# KiCad board panel_bottom.kicad_pcb (continued)
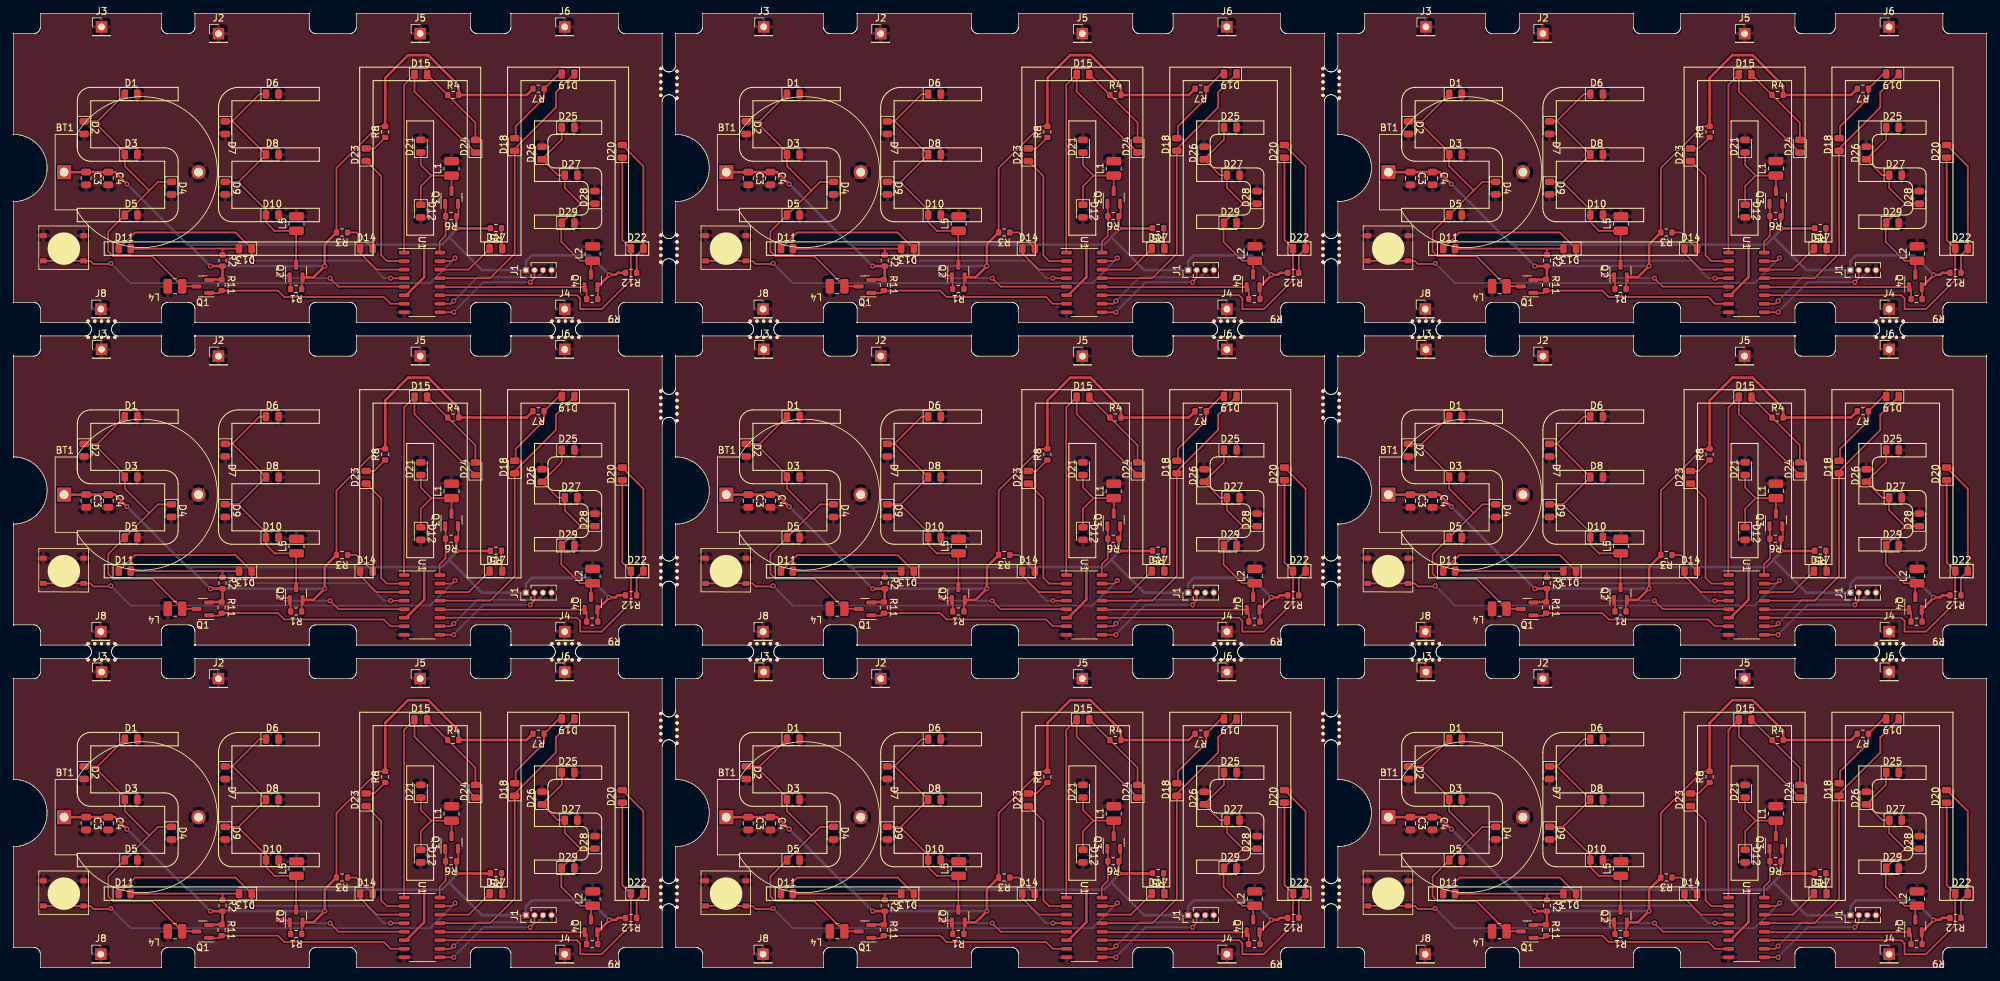
[diagram p0: board, top side]
## Nets (continued)
Board_5-GND: BT1#7.2 C3#2.2 C4#9.2 D1#6.2 D2.2 D3#2.2 D4#7.2 D5#5.2 D6#7.2 D7#2.2 D8#5.2 D9.2 D10#6.2 D12#4.2 D21#4.2 D25#4.2 D26#7.2 D27.2 D28#3.2 D29#5.2 J1#9.4 J2#8.1 J3#5.1 J4#4.1 J5#8.1 J6#3.1 J8#3.1 L1#5.2 L2.2 L4#5.2 L5#7.2 SW1.2 U1#8.8
Board_5-Net-(D1-K): D1#6.1 D2.1 D3#2.1 D4#7.1 D5#5.1 L4#5.1 Q1#9.3
Board_5-Net-(D10-K): D6#7.1 D7#2.1 D8#5.1 D9.1 D10#6.1 L5#7.1 Q2#6.3
Board_5-Net-(D11-A): D11#7.2 D13#9.2 R2#8.1
Board_5-Net-(D12-K): D12#4.1 D21#4.1 L1#5.1 Q3#2.3
Board_5-Net-(D14-A): D14#5.2 R3#8.1
Board_5-Net-(D15-A): D15#4.2 D24#7.2 R4#5.1
Board_5-Net-(D17-A): D17#7.2 R5#3.1
Board_5-Net-(D18-A): D18#7.2 D19#3.2 R7#9.1
Board_5-Net-(D20-A): D20#6.2 D22#5.2 R12#7.1
Board_5-Net-(D23-A): D23#5.2 R8#3.1
Board_5-Net-(D25-K): D25#4.1 D26#7.1 D27.1 D28#3.1 D29#5.1 L2.1 Q4#3.3
Board_5-VCC: BT1#7.1 C3#2.1 C4#9.1 J1#9.1 Q1#9.2 Q2#6.2 Q3#2.2 Q4#3.2 R1#9.1 R2#8.2 R3#8.2 R4#5.2 R5#3.2 R6.1 R7#9.2 R8#3.2 R9#6.1 R11#6.1 R12#7.2 U1#8.6
Board_6-/LED_EN_1: Q3.1 R6#9.2 U1#3.16
Board_6-/LED_EN_5: Q4#9.1 R9#9.2 U1#3.12
Board_6-/LED_EN_E: Q2#8.1 R1#6.2 U1#3.5
Board_6-/LED_EN_M1: D11#3.1 D13#7.1 U1#3.4
Board_6-/LED_EN_M2: D14.1 U1#3.3
Board_6-/LED_EN_M3: D23#4.1 U1#3.2
Board_6-/LED_EN_M4: D15#7.1 D24#4.1 U1#3.1
Board_6-/LED_EN_M5: D17#5.1 U1#3.14
Board_6-/LED_EN_M6: D18.1 D19.1 U1#3.13
Board_6-/LED_EN_M7: D20#8.1 D22#4.1 U1#3.11
Board_6-/LED_EN_S: Q1#4.1 R11#8.2 U1#3.7
Board_6-/P3.0: J1#2.2 U1#3.9
Board_6-/P3.1: J1#2.3 U1#3.10
Board_6-/SW_IN: SW1#7.1 U1#3.15
Board_6-GND: BT1#6.2 C3#5.2 C4.2 D1#2.2 D2#6.2 D3#5.2 D4#2.2 D5#7.2 D6.2 D7#9.2 D8#6.2 D9#4.2 D10#9.2 D12#5.2 D21#3.2 D25#8.2 D26#5.2 D27#7.2 D28#5.2 D29#3.2 J1#2.4 J2#9.1 J3#4.1 J4#5.1 J5#6.1 J6#8.1 J8#9.1 L1#9.2 L2#3.2 L4#9.2 L5.2 SW1#7.2 U1#3.8
Board_6-Net-(D1-K): D1#2.1 D2#6.1 D3#5.1 D4#2.1 D5#7.1 L4#9.1 Q1#4.3
Board_6-Net-(D10-K): D6.1 D7#9.1 D8#6.1 D9#4.1 D10#9.1 L5.1 Q2#8.3
Board_6-Net-(D11-A): D11#3.2 D13#7.2 R2#7.1
Board_6-Net-(D12-K): D12#5.1 D21#3.1 L1#9.1 Q3.3
Board_6-Net-(D14-A): D14.2 R3#7.1
Board_6-Net-(D15-A): D15#7.2 D24#4.2 R4#3.1
Board_6-Net-(D17-A): D17#5.2 R5#8.1
Board_6-Net-(D18-A): D18.2 D19.2 R7.1
Board_6-Net-(D20-A): D20#8.2 D22#4.2 R12#5.1
Board_6-Net-(D23-A): D23#4.2 R8#9.1
Board_6-Net-(D25-K): D25#8.1 D26#5.1 D27#7.1 D28#5.1 D29#3.1 L2#3.1 Q4#9.3
Board_6-VCC: BT1#6.1 C3#5.1 C4.1 J1#2.1 Q1#4.2 Q2#8.2 Q3.2 Q4#9.2 R1#6.1 R2#7.2 R3#7.2 R4#3.2 R5#8.2 R6#9.1 R7.2 R8#9.2 R9#9.1 R11#8.1 R12#5.2 U1#3.6
Board_7-/LED_EN_1: Q3#3.1 R6#6.2 U1#2.16
Board_7-/LED_EN_5: Q4#2.1 R9#4.2 U1#2.12
Board_7-/LED_EN_E: Q2#2.1 R1.2 U1#2.5
Board_7-/LED_EN_M1: D11#8.1 D13#3.1 U1#2.4
Board_7-/LED_EN_M2: D14#4.1 U1#2.3
Board_7-/LED_EN_M3: D23#9.1 U1#2.2
Board_7-/LED_EN_M4: D15#9.1 D24#2.1 U1#2.1
Board_7-/LED_EN_M5: D17#6.1 U1#2.14
Board_7-/LED_EN_M6: D18#3.1 D19#4.1 U1#2.13
Board_7-/LED_EN_M7: D20#4.1 D22#2.1 U1#2.11
Board_7-/LED_EN_S: Q1#2.1 R11#3.2 U1#2.7
Board_7-/P3.0: J1#3.2 U1#2.9
Board_7-/P3.1: J1#3.3 U1#2.10
Board_7-/SW_IN: SW1#9.1 U1#2.15
Board_7-GND: BT1#3.2 C3#4.2 C4#4.2 D1.2 D2#3.2 D3#4.2 D4#4.2 D5#6.2 D6#4.2 D7#3.2 D8#7.2 D9#8.2 D10#3.2 D12#9.2 D21#5.2 D25#3.2 D26#2.2 D27#8.2 D28.2 D29#6.2 J1#3.4 J2#7.1 J3#7.1 J4#9.1 J5#5.1 J6#7.1 J8#4.1 L1#7.2 L2#7.2 L4#7.2 L5#3.2 SW1#9.2 U1#2.8
Board_7-Net-(D1-K): D1.1 D2#3.1 D3#4.1 D4#4.1 D5#6.1 L4#7.1 Q1#2.3
Board_7-Net-(D10-K): D6#4.1 D7#3.1 D8#7.1 D9#8.1 D10#3.1 L5#3.1 Q2#2.3
Board_7-Net-(D11-A): D11#8.2 D13#3.2 R2#6.1
Board_7-Net-(D12-K): D12#9.1 D21#5.1 L1#7.1 Q3#3.3
Board_7-Net-(D14-A): D14#4.2 R3.1
Board_7-Net-(D15-A): D15#9.2 D24#2.2 R4#6.1
Board_7-Net-(D17-A): D17#6.2 R5#6.1
Board_7-Net-(D18-A): D18#3.2 D19#4.2 R7#6.1
Board_7-Net-(D20-A): D20#4.2 D22#2.2 R12#2.1
Board_7-Net-(D23-A): D23#9.2 R8.1
Board_7-Net-(D25-K): D25#3.1 D26#2.1 D27#8.1 D28.1 D29#6.1 L2#7.1 Q4#2.3
Board_7-VCC: BT1#3.1 C3#4.1 C4#4.1 J1#3.1 Q1#2.2 Q2#2.2 Q3#3.2 Q4#2.2 R1.1 R2#6.2 R3.2 R4#6.2 R5#6.2 R6#6.1 R7#6.2 R8.2 R9#4.1 R11#3.1 R12#2.2 U1#2.6
Board_8-/LED_EN_1: Q3#8.1 R6#2.2 U1#5.16
Board_8-/LED_EN_5: Q4#6.1 R9.2 U1#5.12
Board_8-/LED_EN_E: Q2#4.1 R1#3.2 U1#5.5
Board_8-/LED_EN_M1: D11#9.1 D13#4.1 U1#5.4
Board_8-/LED_EN_M2: D14#2.1 U1#5.3
Board_8-/LED_EN_M3: D23#2.1 U1#5.2
Board_8-/LED_EN_M4: D15.1 D24#9.1 U1#5.1
Board_8-/LED_EN_M5: D17#2.1 U1#5.14
Board_8-/LED_EN_M6: D18#5.1 D19#8.1 U1#5.13
Board_8-/LED_EN_M7: D20#5.1 D22#9.1 U1#5.11
Board_8-/LED_EN_S: Q1#6.1 R11#9.2 U1#5.7
Board_8-/P3.0: J1.2 U1#5.9
Board_8-/P3.1: J1.3 U1#5.10
Board_8-/SW_IN: SW1#4.1 U1#5.15
Board_8-GND: BT1#8.2 C3#3.2 C4#8.2 D1#4.2 D2#7.2 D3#3.2 D4#8.2 D5#4.2 D6#2.2 D7#8.2 D8.2 D9#3.2 D10#2.2 D12#8.2 D21#8.2 D25#6.2 D26#8.2 D27#3.2 D28#8.2 D29#8.2 J1.4 J2.1 J3.1 J4.1 J5#3.1 J6.1 J8#6.1 L1#3.2 L2#5.2 L4#8.2 L5#8.2 SW1#4.2 U1#5.8
Board_8-Net-(D1-K): D1#4.1 D2#7.1 D3#3.1 D4#8.1 D5#4.1 L4#8.1 Q1#6.3
Board_8-Net-(D10-K): D6#2.1 D7#8.1 D8.1 D9#3.1 D10#2.1 L5#8.1 Q2#4.3
Board_8-Net-(D11-A): D11#9.2 D13#4.2 R2#9.1
Board_8-Net-(D12-K): D12#8.1 D21#8.1 L1#3.1 Q3#8.3
Board_8-Net-(D14-A): D14#2.2 R3#3.1
Board_8-Net-(D15-A): D15.2 D24#9.2 R4#8.1
Board_8-Net-(D17-A): D17#2.2 R5.1
Board_8-Net-(D18-A): D18#5.2 D19#8.2 R7#4.1
Board_8-Net-(D20-A): D20#5.2 D22#9.2 R12#9.1
Board_8-Net-(D23-A): D23#2.2 R8#5.1
Board_8-Net-(D25-K): D25#6.1 D26#8.1 D27#3.1 D28#8.1 D29#8.1 L2#5.1 Q4#6.3
Board_8-VCC: BT1#8.1 C3#3.1 C4#8.1 J1.1 Q1#6.2 Q2#4.2 Q3#8.2 Q4#6.2 R1#3.1 R2#9.2 R3#3.2 R4#8.2 R5.2 R6#2.1 R7#4.2 R8#5.2 R9.1 R11#9.1 R12#9.2 U1#5.6

## Via types
v1: diameter 0.8, hole 0.4, Top to Bottom, 135 vias

## Routing (per net, layer and track width the routed paths; a pad name or vN(x,y) marks a point on that pad's centre or on a via; arc(x,y) is an arc through that point)
Board_0-/LED_EN_1: length 7.7
  Top w0.25: U1#6.16 63.39,106.47 63.39,108.02 64.28,108.91 R6#8.2 64.28,113.62 Q3#5.1
Board_0-/LED_EN_5: length 23.5
  Top w0.25: R9#8.2 85.27,100.95 Q4#7.1
  Top w0.254: Q4#7.1 63.51,101.26 U1#6.12
Board_0-/LED_EN_E: length 22.4
  Top w0.25: v1(39.7,103) 40.83,103 Q2#3.1 ; U1#6.5 48.36,101.34 v1(47.1,102.6)
  Top w0.254: 41.23,101 41.23,102.6 Q2#3.1
  Bottom w0.25: v1(39.7,103) 40.1,102.6 v1(47.1,102.6)
Board_0-/LED_EN_M1: length 47.3
  Top w0.254: v1(56.1,102.6) 58.13,102.6 U1#6.4 ; v1(35.5,105.2) 35.44,105.26 D13#2.1 33.04,109.4 18.07,109.4 D11#4.1
  Bottom w0.254: v1(35.5,105.2) 52.5,105.2 55.1,102.6 v1(56.1,102.6)
Board_0-/LED_EN_M2: length 8.3
  Top w0.254: D14#3.1 51.56,106.34 54.02,103.88 U1#6.3
Board_0-/LED_EN_M3: length 18.8
  Top w0.254: D23#6.1 54.7,117.8 54.7,106 55.55,105.15 U1#6.2
Board_0-/LED_EN_M4: length 42.5
  Top w0.254: D24#5.1 59.65,130.37 D15#5.1 58.1,131.36 58.1,106.45 U1#6.1
Board_0-/LED_EN_M5: length 8.7
  Top w0.254: D17#8.1 67.71,103.88 U1#6.14
Board_0-/LED_EN_M6: length 43.1
  Top w0.254: U1#6.13 69.82,102.61 69.83,102.6 70.9,102.6 74.56,106.26 D18#9.1 74.56,121.86 80.7,128 80.7,130.26 D19#9.1
Board_0-/LED_EN_M7: length 50.7
  Top w0.254: U1#6.11 83.83,100.07 84.3,99.6 84.3,98 87.5,98 91.83,102.33 D22.1 90.56,108.27 D20#7.1
Board_0-/LED_EN_S: length 30
  Top w0.254: 58.13,98.8 U1#6.7 56.1,98.8 55.1,99.8 40.3,99.8 39.35,100.75 R11#7.2 30.59,100.38 29.15,100.38 Q1.1
Board_0-/P3.0: length 17.4
  Top w0.254: v1(65.5,97.53) U1#6.9 ; v1(76.9,102) 77.5,102.6 J1#8.2
  Bottom w0.254: v1(65.5,97.53) 65.5,97.6 69.9,102 v1(76.9,102)
Board_0-/P3.1: length 17.7
  Top w0.254: 78.7,103.73 J1#8.3 ; v1(65.5,99.2) 65.1,98.8 U1#6.10
  Bottom w0.254: v1(65.5,99.2) 69.03,102.73 78.03,102.73 78.77,103.47 J1#8.3
Board_0-/SW_IN: length 66.7
  Top w0.25: 11.9,104.72 11.44,105.17 SW1#6.1 SW1#6.1
  Top w0.254: 11.9,104.72 14.42,104.72 v1(14.5,104.8) ; v1(65.7,105.6) 65.25,105.15 U1#6.15
  Bottom w0.254: v1(14.5,104.8) 17.43,101.87 61.97,101.87 v1(65.7,105.6)
Board_0-Net-(D1-K): length 52.2
  Top w0.25: 11.94,125.94 12.5,125.94 D1#3.1 ; 11.94,125.94 D2#2.1 ; 11.94,125.94 16.56,121.31 D3#9.1 16.56,119.28 20.2,115.64 ; D4#9.1 21.5,116.94 20.2,115.64 ; 20.2,115.64 D5.1
  Top w0.254: Q1.3 27.2,101.4 L4#6.1 20.63,105.87 14.83,105.87 14.1,106.6 14.1,109.54 D5.1
Board_0-Net-(D10-K): length 43.4
  Top w0.25: D10#4.1 37.56,112.76 33.39,116.94 D9#7.1 33.5,116.94 D8#9.1 32.62,125.94 D7#6.1 32.54,125.94 36.6,130 D6#5.1
  Top w0.254: D10#4.1 37.56,110.94 38.9,109.6 38.95,109.65 L5#2.1 42.05,109.6 Q2#3.3
Board_0-Net-(D11-A): length 19.7
  Top w0.25: D13#2.2 D11#4.2
  Top w0.254: R2#5.1 31.1,107 ; D11#4.2 20.08,107
Board_0-Net-(D12-K): length 14.4
  Top w0.25: 62.17,117.87 60.59,116.28 D12#7.1 ; 62.17,117.87 60.59,119.45 D21.1 ; 62.17,117.87 L1#6.1 Q3#5.3
Board_0-Net-(D14-A): length 4.9
  Top w0.254: R3#9.1 51.04,109.4 D14#3.2 53.54,106.89
Board_0-Net-(D15-A): length 12.7
  Top w0.254: D24#5.2 68.72,125.73 R4#7.1 61.55,132.91 D15#5.2
  Top w0.381: R4#7.1 64.58,129.86
Board_0-Net-(D17-A): length 3.1
  Top w0.254: R5#7.1 72.59,107.11 D17#8.2
Board_0-Net-(D18-A): length 12.8
  Top w0.254: D19#9.2 81.12,133 R7#7.1 78.92,129.43 74.7,125.2 74.7,123.57 D18#9.2 ; 81.64,133.2 81.67,133.16
Board_0-Net-(D20-A): length 20.7
  Top w0.254: R12#4.1 92.7,105.99 D22.2 93.71,119.27 D20#7.2
Board_0-Net-(D23-A): length 3.5
  Top w0.254: D23#6.2 53.66,121.91 R8#2.1
Board_0-Net-(D25-K): length 32.5
  Top w0.25: 81.5,108 81.5,110.81 84.37,113.68 ; Q4#7.3 85.9,104.94 L2#6.1 ; 84.37,113.68 D28#2.1 ; 84.37,113.68 82.01,116.05 D27#6.1 80.99,117.92 D26#3.1
  Top w0.254: 81.5,108 84.31,105.19 L2#6.1 ; D25#9.1 81.56,123.22 D26#3.1
Board_0-VCC: length 210.6
  Top w0.25: R6#8.1 66.18,112.08 66.18,113.62 Q3#5.2 ; Q4#7.2 86.92,101.2 R9#8.1
  Top w0.254: R1#4.1 42.88,102.6 Q2#3.2 ; R8#2.2 54.25,125.2 48.05,119 R3#9.2
  Top w0.381: 13.91,118.38 14.11,118.18 ; v1(29.3,104.4) R2#5.2 31.1,102.54 R11#7.1 29.18,102.4 Q1.2 ; Q2#3.2 44.62,102.72 v1(46.3,104.4) 46.3,107.65 R3#9.2 ; R5#7.2 70.89,110 v1(65.9,110) 65.9,111.8 R6#8.1 ; v1(61.1,107.6) 61.1,102.75 58.41,100.07 U1#6.6 ; R8#2.2 55.3,132.4 58.7,135.8 61.7,135.8 66.24,131.26 66.24,129.86 76.34,129.86 R7#7.2 ; R12#4.2 89.9,103.4 89.6,103.1 v1(88.6,103.1) 88.6,103.01 Q4#7.2 ; BT1#5.1 10.79,118.38 C3.1 C4#6.1 15.1,118.4 v1(16.9,116.6)
  Bottom w0.381: 64.8,108.7 65.9,109.8 v1(65.9,110) ; 64.8,108.7 69.7,103.8 J1#8.1 76.23,105.13 77.1,106 85.7,106 v1(88.6,103.1) ; 64.8,108.7 63.7,107.6 v1(61.1,107.6) 25.9,107.6 25.7,107.8 ; 25.7,107.8 25.9,107.8 v1(29.3,104.4) v1(46.3,104.4) ; 25.7,107.8 v1(16.9,116.6)
Board_1-/LED_EN_1: length 7.7
  Top w0.25: U1#9.16 161.89,106.47 161.89,108.02 162.78,108.91 R6#7.2 162.78,113.62 Q3#9.1
Board_1-/LED_EN_5: length 23.5
  Top w0.25: Q4#5.1 183.77,100.95 R9#3.2
  Top w0.254: Q4#5.1 162.01,101.26 U1#9.12
Board_1-/LED_EN_E: length 22.4
  Top w0.25: U1#9.5 146.86,101.34 v1(145.6,102.6) ; Q2#7.1 139.32,103 v1(138.2,103)
  Top w0.254: Q2#7.1 139.72,102.6 R1#8.2
  Bottom w0.25: v1(138.2,103) 138.6,102.6 v1(145.6,102.6)
Board_1-/LED_EN_M1: length 47.3
  Top w0.254: U1#9.4 156.63,102.6 v1(154.6,102.6) ; D11#6.1 116.57,109.4 131.54,109.4 D13#5.1 133.94,105.26 v1(134,105.2)
  Bottom w0.254: v1(134,105.2) 151,105.2 153.6,102.6 v1(154.6,102.6)
Board_1-/LED_EN_M2: length 8.3
  Top w0.254: U1#9.3 152.52,103.88 150.06,106.34 D14#9.1
Board_1-/LED_EN_M3: length 18.8
  Top w0.254: U1#9.2 154.05,105.15 153.2,106 153.2,117.8 D23#7.1
Board_1-/LED_EN_M4: length 42.5
  Top w0.254: U1#9.1 156.6,106.45 156.6,131.36 D15#8.1 158.15,130.37 D24#3.1
Board_1-/LED_EN_M5: length 8.7
  Top w0.254: D17#4.1 166.21,103.88 U1#9.14
Board_1-/LED_EN_M6: length 43.1
  Top w0.254: U1#9.13 168.32,102.61 168.33,102.6 169.4,102.6 173.06,106.26 D18#8.1 173.06,121.86 179.2,128 179.2,130.26 D19#6.1
Board_1-/LED_EN_M7: length 50.7
  Top w0.254: D20#2.1 189.06,108.27 D22#6.1 190.33,102.33 186,98 182.8,98 182.8,99.6 182.33,100.07 U1#9.11
Board_1-/LED_EN_S: length 30
  Top w0.254: 156.63,98.8 U1#9.7 154.6,98.8 153.6,99.8 138.8,99.8 137.85,100.75 R11#4.2 129.09,100.38 127.65,100.38 Q1#5.1
Board_1-/P3.0: length 17.4
  Top w0.254: v1(175.4,102) 176,102.6 J1#7.2 ; v1(164,97.53) U1#9.9
  Bottom w0.254: v1(175.4,102) 168.4,102 164,97.6 v1(164,97.53)
Board_1-/P3.1: length 17.7
  Top w0.254: v1(164,99.2) 163.6,98.8 U1#9.10 ; 177.2,103.73 J1#7.3
  Bottom w0.254: J1#7.3 177.27,103.47 176.53,102.73 167.53,102.73 v1(164,99.2)
Board_1-/SW_IN: length 66.7
  Top w0.25: 110.4,104.72 109.94,105.17 SW1#8.1 SW1#8.1
  Top w0.254: U1#9.15 163.75,105.15 v1(164.2,105.6) ; v1(113,104.8) 112.92,104.72 110.4,104.72
  Bottom w0.254: v1(113,104.8) 115.93,101.87 160.47,101.87 v1(164.2,105.6)
Board_1-Net-(D1-K): length 52.2
  Top w0.25: 110.44,125.94 D2#9.1 ; 110.44,125.94 111,125.94 D1#7.1 ; 110.44,125.94 115.06,121.31 D3#6.1 115.06,119.28 118.7,115.64 ; D5#8.1 118.7,115.64 ; 118.7,115.64 120,116.94 D4#6.1
  Top w0.254: Q1#5.3 125.7,101.4 L4#3.1 119.13,105.87 113.33,105.87 112.6,106.6 112.6,109.54 D5#8.1
Board_1-Net-(D10-K): length 43.4
  Top w0.25: D6#9.1 135.1,130 131.04,125.94 D7.1 131.12,125.94 D8#8.1 132,116.94 D9#9.1 131.89,116.94 136.06,112.76 D10#5.1
  Top w0.254: D10#5.1 136.06,110.94 137.4,109.6 137.45,109.65 L5#9.1 140.55,109.6 Q2#7.3
Board_1-Net-(D11-A): length 19.7
  Top w0.25: D13#5.2 D11#6.2
  Top w0.254: R2#4.1 129.6,107 ; D11#6.2 118.58,107
Board_1-Net-(D12-K): length 14.4
  Top w0.25: 160.68,117.87 L1#4.1 Q3#9.3 ; 160.68,117.87 159.09,116.28 D12#2.1 ; 160.68,117.87 159.09,119.45 D21#6.1
Board_1-Net-(D14-A): length 4.9
  Top w0.254: R3#6.1 149.54,109.4 D14#9.2 152.04,106.89
Board_1-Net-(D15-A): length 12.7
  Top w0.254: D15#8.2 160.04,132.91 R4#2.1 167.22,125.73 D24#3.2
  Top w0.381: R4#2.1 163.08,129.86
Board_1-Net-(D17-A): length 3.1
  Top w0.254: R5#4.1 171.09,107.11 D17#4.2
Board_1-Net-(D18-A): length 12.8
  Top w0.254: 180.14,133.2 180.17,133.16 ; D18#8.2 173.2,123.57 173.2,125.2 177.43,129.43 177.43,130.8 179.62,133 D19#6.2
Board_1-Net-(D20-A): length 20.7
  Top w0.254: D20#2.2 192.21,119.27 D22#6.2 191.2,105.99 R12#3.1
Board_1-Net-(D23-A): length 3.5
  Top w0.254: D23#7.2 152.16,121.91 R8#6.1
Board_1-Net-(D25-K): length 32.5
  Top w0.25: 182.87,113.68 D28#6.1 ; 182.87,113.68 180,110.81 180,108 ; 182.87,113.68 180.51,116.05 D27#4.1 179.49,117.92 D26#4.1 ; L2#9.1 184.4,104.94 Q4#5.3
  Top w0.254: D25.1 180.06,123.22 D26#4.1 ; 180,108 182.81,105.19 L2#9.1
Board_1-VCC: length 210.6
  Top w0.25: R6#7.1 164.68,112.08 164.68,113.62 Q3#9.2 ; R9#3.1 185.42,101.2 Q4#5.2
  Top w0.254: R3#6.2 146.55,119 152.75,125.2 R8#6.2 ; Q2#7.2 141.38,102.6 R1#8.1
  Top w0.381: v1(127.8,104.4) R2#4.2 129.6,102.54 R11#4.1 127.68,102.4 Q1#5.2 ; v1(115.4,116.6) 113.6,118.4 C4#3.1 C3#6.1 109.29,118.38 BT1#9.1 ; R8#6.2 153.8,132.4 157.2,135.8 160.2,135.8 164.74,131.26 R4#2.2 174.84,129.86 R7#5.2 ; U1#9.6 156.91,100.07 159.6,102.75 v1(159.6,107.6) ; R3#6.2 144.8,107.65 v1(144.8,104.4) 143.12,102.72 Q2#7.2 ; R5#4.2 169.39,110 v1(164.4,110) 164.4,111.8 R6#7.1 ; 112.41,118.38 112.61,118.18 ; Q4#5.2 187.1,103.01 v1(187.1,103.1) 188.1,103.1 188.4,103.4 R12#3.2
  Bottom w0.381: 163.3,108.7 162.2,107.6 v1(159.6,107.6) 124.4,107.6 124.2,107.8 ; 163.3,108.7 168.2,103.8 J1#7.1 174.73,105.13 175.6,106 184.2,106 v1(187.1,103.1) ; 163.3,108.7 164.4,109.8 v1(164.4,110) ; v1(144.8,104.4) v1(127.8,104.4) 124.4,107.8 124.2,107.8 ; 124.2,107.8 v1(115.4,116.6)
Board_2-/LED_EN_1: length 7.7
  Top w0.25: U1.16 260.39,106.47 260.39,108.02 261.28,108.91 R6#3.2 261.28,113.62 Q3#4.1
Board_2-/LED_EN_5: length 23.5
  Top w0.25: R9#2.2 282.27,100.95 Q4.1
  Top w0.254: Q4.1 260.51,101.26 U1.12
Board_2-/LED_EN_E: length 22.4
  Top w0.25: v1(236.7,103) 237.82,103 Q2.1 ; U1.5 245.36,101.34 v1(244.1,102.6)
  Top w0.254: Q2.1 238.22,102.6 R1#2.2
  Bottom w0.25: v1(244.1,102.6) 237.1,102.6 v1(236.7,103)
Board_2-/LED_EN_M1: length 47.3
  Top w0.254: D11.1 215.07,109.4 230.04,109.4 D13#6.1 232.44,105.26 v1(232.5,105.2) ; v1(253.1,102.6) 255.13,102.6 U1.4
  Bottom w0.254: v1(232.5,105.2) 249.5,105.2 252.1,102.6 v1(253.1,102.6)
Board_2-/LED_EN_M2: length 8.3
  Top w0.254: U1.3 251.02,103.88 248.56,106.34 D14#6.1
Board_2-/LED_EN_M3: length 18.8
  Top w0.254: D23#3.1 251.7,117.8 251.7,106 252.55,105.15 U1.2
Board_2-/LED_EN_M4: length 42.5
  Top w0.254: U1.1 255.1,106.45 255.1,131.36 D15#3.1 256.65,130.37 D24.1
Board_2-/LED_EN_M5: length 8.7
  Top w0.254: D17.1 264.71,103.88 U1.14
Board_2-/LED_EN_M6: length 43.1
  Top w0.254: U1.13 266.82,102.61 266.83,102.6 267.9,102.6 271.56,106.26 D18#4.1 271.56,121.86 277.7,128 277.7,130.26 D19#7.1
Board_2-/LED_EN_M7: length 50.7
  Top w0.254: U1.11 280.83,100.07 281.3,99.6 281.3,98 284.5,98 288.83,102.33 D22#7.1 287.56,108.27 D20.1
Board_2-/LED_EN_S: length 30
  Top w0.254: 255.13,98.8 U1.7 253.1,98.8 252.1,99.8 237.3,99.8 236.35,100.75 R11.2 227.59,100.38 226.15,100.38 Q1#7.1
Board_2-/P3.0: length 17.4
  Top w0.254: v1(262.5,97.53) U1.9 ; v1(273.9,102) 274.5,102.6 J1#6.2
  Bottom w0.254: v1(273.9,102) 266.9,102 262.5,97.6 v1(262.5,97.53)
Board_2-/P3.1: length 17.7
  Top w0.254: U1.10 262.1,98.8 v1(262.5,99.2) ; 275.7,103.73 J1#6.3
  Bottom w0.254: J1#6.3 275.77,103.47 275.03,102.73 266.03,102.73 v1(262.5,99.2)
Board_2-/SW_IN: length 66.7
  Top w0.25: SW1#5.1 SW1#5.1 208.44,105.17 208.9,104.72
  Top w0.254: U1.15 262.25,105.15 v1(262.7,105.6) ; 208.9,104.72 211.42,104.72 v1(211.5,104.8)
  Bottom w0.254: v1(211.5,104.8) 214.43,101.87 258.97,101.87 v1(262.7,105.6)
Board_2-Net-(D1-K): length 52.2
  Top w0.25: 208.94,125.94 D2#8.1 ; 208.94,125.94 209.5,125.94 D1#9.1 ; 208.94,125.94 213.56,121.31 D3.1 213.56,119.28 217.2,115.64 ; 217.2,115.64 D5#2.1 ; 217.2,115.64 218.5,116.94 D4#5.1
  Top w0.254: D5#2.1 211.1,109.54 211.1,106.6 211.83,105.87 217.63,105.87 L4.1 224.2,101.4 Q1#7.3
Board_2-Net-(D10-K): length 43.4
  Top w0.25: D6#6.1 233.6,130 229.54,125.94 D7#4.1 229.62,125.94 D8#3.1 230.5,116.94 D9#5.1 230.39,116.94 234.56,112.76 D10.1
  Top w0.254: D10.1 234.56,110.94 235.9,109.6 235.95,109.65 L5#5.1 239.05,109.6 Q2.3
Board_2-Net-(D11-A): length 19.7
  Top w0.25: D13#6.2 D11.2
  Top w0.254: R2.1 228.1,107 ; D11.2 217.08,107
Board_2-Net-(D12-K): length 14.4
  Top w0.25: 259.18,117.87 257.59,116.28 D12#6.1 ; 259.18,117.87 L1.1 Q3#4.3 ; 259.18,117.87 257.59,119.45 D21#2.1
Board_2-Net-(D14-A): length 4.9
  Top w0.254: 250.54,106.89 D14#6.2 248.04,109.4 R3#5.1
Board_2-Net-(D15-A): length 12.7
  Top w0.254: D15#3.2 258.55,132.91 R4.1 265.72,125.73 D24.2
  Top w0.381: R4.1 261.58,129.86
Board_2-Net-(D17-A): length 3.1
  Top w0.254: 269.59,110.05 269.59,107.11 D17.2
Board_2-Net-(D18-A): length 12.8
  Top w0.254: D18#4.2 271.7,123.57 271.7,125.2 275.93,129.43 R7#8.1 278.12,133 D19#7.2 ; 278.64,133.2 278.67,133.16
Board_2-Net-(D20-A): length 20.7
  Top w0.254: D20.2 290.71,119.27 D22#7.2 289.7,105.99 R12.1
Board_2-Net-(D23-A): length 3.5
  Top w0.254: D23#3.2 250.66,121.91 R8#8.1
Board_2-Net-(D25-K): length 32.5
  Top w0.25: 281.37,113.68 D28#9.1 ; 281.37,113.68 278.5,110.81 278.5,108 ; 281.37,113.68 279.01,116.05 D27#2.1 277.99,117.92 D26.1 ; L2#4.1 282.9,104.94 Q4.3
  Top w0.254: L2#4.1 281.31,105.19 278.5,108 ; D26.1 278.56,123.22 D25#2.1
Board_2-VCC: length 210.6
  Top w0.25: Q3#4.2 263.18,113.62 263.18,112.08 R6#3.1 ; Q4.2 283.92,101.2 R9#2.1
  Top w0.254: Q2.2 239.88,102.6 R1#2.1 ; R3#5.2 245.05,119 251.25,125.2 R8#8.2
  Top w0.381: v1(258.1,107.6) 258.1,102.75 255.41,100.07 U1.6 ; BT1#2.1 207.79,118.38 C3#9.1 C4#2.1 212.1,118.4 v1(213.9,116.6) ; Q1#7.2 226.18,102.4 R11.1 228.1,102.54 R2.2 v1(226.3,104.4) ; Q4.2 285.6,103.01 v1(285.6,103.1) 286.6,103.1 286.9,103.4 R12.2 ; Q2.2 241.62,102.72 v1(243.3,104.4) 243.3,107.65 R3#5.2 ; R8#8.2 252.3,132.4 255.7,135.8 258.7,135.8 263.24,131.26 R4.2 273.34,129.86 274.27,130.8 ; 210.91,118.38 211.11,118.18 ; R5#2.2 267.89,110 v1(262.9,110) 262.9,111.8 R6#3.1
  Bottom w0.381: 222.7,107.8 222.9,107.8 v1(226.3,104.4) v1(243.3,104.4) ; 222.7,107.8 v1(213.9,116.6) ; 222.7,107.8 222.9,107.6 v1(258.1,107.6) 260.7,107.6 261.8,108.7 ; 261.8,108.7 262.9,109.8 v1(262.9,110) ; 261.8,108.7 266.7,103.8 J1#6.1 273.23,105.13 274.1,106 282.7,106 v1(285.6,103.1)
Board_3-/LED_EN_1: length 7.7
  Top w0.25: Q3#7.1 64.28,65.62 R6#5.2 64.28,60.91 63.39,60.02 63.39,58.47 U1#7.16
Board_3-/LED_EN_5: length 23.5
  Top w0.25: R9#5.2 85.27,52.95 Q4#4.1
  Top w0.254: Q4#4.1 63.51,53.26 U1#7.12
Board_3-/LED_EN_E: length 22.4
  Top w0.25: Q2#9.1 40.83,55 v1(39.7,55) ; v1(47.1,54.6) 48.36,53.34 U1#7.5
  Top w0.254: Q2#9.1 41.23,54.6 41.23,53
  Bottom w0.25: v1(47.1,54.6) 40.1,54.6 v1(39.7,55)
Board_3-/LED_EN_M1: length 47.3
  Top w0.254: U1#7.4 58.13,54.6 v1(56.1,54.6) ; v1(35.5,57.2) 35.44,57.26 D13#8.1 33.04,61.4 18.07,61.4 D11#2.1
  Bottom w0.254: v1(56.1,54.6) 55.1,54.6 52.5,57.2 v1(35.5,57.2)
Board_3-/LED_EN_M2: length 8.3
  Top w0.254: U1#7.3 54.02,55.88 51.56,58.34 D14#7.1
Board_3-/LED_EN_M3: length 18.8
  Top w0.254: D23#8.1 54.7,69.8 54.7,58 55.55,57.15 U1#7.2
Board_3-/LED_EN_M4: length 42.5
  Top w0.254: U1#7.1 58.1,58.45 58.1,83.36 D15#2.1 59.65,82.37 D24#8.1
Board_3-/LED_EN_M5: length 8.7
  Top w0.254: D17#3.1 67.71,55.88 U1#7.14
Board_3-/LED_EN_M6: length 43.1
  Top w0.254: U1#7.13 69.82,54.61 69.83,54.6 70.9,54.6 74.56,58.26 D18#2.1 74.56,73.86 80.7,80 80.7,82.26 D19#2.1
Board_3-/LED_EN_M7: length 50.7
  Top w0.254: U1#7.11 83.83,52.07 84.3,51.6 84.3,50 87.5,50 91.83,54.33 D22#3.1 90.56,60.27 D20#3.1
Board_3-/LED_EN_S: length 30
  Top w0.254: Q1#8.1 29.15,52.38 30.59,52.38 R11#2.2 39.35,52.75 40.3,51.8 55.1,51.8 56.1,50.8 U1#7.7 58.13,50.8
Board_3-/P3.0: length 17.4
  Top w0.254: v1(65.5,49.53) U1#7.9 ; v1(76.9,54) 77.5,54.6 J1#5.2
  Bottom w0.254: v1(65.5,49.53) 65.5,49.6 69.9,54 v1(76.9,54)
Board_3-/P3.1: length 17.7
  Top w0.254: v1(65.5,51.2) 65.1,50.8 U1#7.10 ; 78.7,55.73 J1#5.3
  Bottom w0.254: v1(65.5,51.2) 69.03,54.73 78.03,54.73 78.77,55.47 J1#5.3
Board_3-/SW_IN: length 66.7
  Top w0.25: SW1#2.1 SW1#2.1 11.44,57.17 11.9,56.72
  Top w0.254: 11.9,56.72 14.42,56.72 v1(14.5,56.8) ; v1(65.7,57.6) 65.25,57.15 U1#7.15
  Bottom w0.254: v1(65.7,57.6) 61.97,53.87 17.43,53.87 v1(14.5,56.8)
Board_3-Net-(D1-K): length 52.2
  Top w0.25: 20.2,67.64 16.56,71.28 D3#8.1 16.56,73.31 11.94,77.94 ; 20.2,67.64 D5#9.1 ; 20.2,67.64 21.5,68.94 D4.1 ; D1#8.1 12.5,77.94 11.94,77.94 ; 11.94,77.94 D2#4.1
  Top w0.254: D5#9.1 14.1,61.54 14.1,58.6 14.83,57.87 20.63,57.87 L4#2.1 27.2,53.4 Q1#8.3
Board_3-Net-(D10-K): length 43.4
  Top w0.25: D10#8.1 37.56,64.76 33.39,68.94 D9#6.1 33.5,68.94 D8#2.1 32.62,77.94 D7#7.1 32.54,77.94 36.6,82 D6#3.1
  Top w0.254: Q2#9.3 42.05,61.6 L5#6.1 38.95,61.65 38.9,61.6 37.56,62.94 D10#8.1
Board_3-Net-(D11-A): length 19.7
  Top w0.25: D11#2.2 D13#8.2
  Top w0.254: D11#2.2 20.08,59 ; R2#3.1 31.1,59
Board_3-Net-(D12-K): length 14.4
  Top w0.25: 62.17,69.86 L1#2.1 Q3#7.3 ; 62.17,69.86 60.59,71.45 D21#7.1 ; 62.17,69.86 60.59,68.28 D12#3.1
Board_3-Net-(D14-A): length 4.9
  Top w0.254: 53.54,58.89 D14#7.2 51.04,61.4 R3#2.1
Board_3-Net-(D15-A): length 12.7
  Top w0.254: D24#8.2 68.72,77.73 R4#4.1 61.55,84.91 D15#2.2
  Top w0.381: R4#4.1 64.58,81.86
Board_3-Net-(D17-A): length 3.1
  Top w0.254: R5#5.1 72.59,59.11 D17#3.2
Board_3-Net-(D18-A): length 12.8
  Top w0.254: D19#2.2 81.12,85 R7#3.1 78.92,81.42 74.7,77.2 74.7,75.57 D18#2.2 ; 81.64,85.2 81.67,85.16
Board_3-Net-(D20-A): length 20.7
  Top w0.254: D20#3.2 93.71,71.27 D22#3.2 92.7,57.99 R12#8.1
Board_3-Net-(D23-A): length 3.5
  Top w0.254: R8#7.1 53.66,73.91 D23#8.2
Board_3-Net-(D25-K): length 32.5
  Top w0.25: Q4#4.3 85.9,56.94 L2#2.1 ; 84.37,65.68 82.01,68.05 D27#9.1 80.99,69.92 D26#9.1 ; 84.37,65.68 D28#7.1 ; 84.37,65.68 81.5,62.81 81.5,60
  Top w0.254: 81.5,60 84.31,57.19 L2#2.1 ; D26#9.1 81.56,75.22 D25#5.1
Board_3-VCC: length 210.6
  Top w0.25: Q4#4.2 86.92,53.2 R9#5.1 ; R6#5.1 66.18,64.08 66.18,65.62 Q3#7.2
  Top w0.254: R8#7.2 54.25,77.2 48.05,71 R3#2.2 ; Q2#9.2 42.88,54.6 R1#5.1
  Top w0.381: v1(16.9,68.6) 15.1,70.4 C4#7.1 C3#8.1 10.79,70.38 BT1.1 ; 13.91,70.38 14.11,70.18 ; U1#7.6 58.41,52.07 61.1,54.75 v1(61.1,59.6) ; R7#3.2 76.34,81.86 66.24,81.86 66.24,83.26 61.7,87.8 58.7,87.8 55.3,84.4 R8#7.2 ; Q4#4.2 88.6,55.01 v1(88.6,55.1) 89.6,55.1 89.9,55.4 R12#8.2 ; Q1#8.2 29.18,54.4 R11#2.1 31.1,54.54 R2#3.2 v1(29.3,56.4) ; R5#5.2 70.89,62 v1(65.9,62) 65.9,63.8 R6#5.1 ; R3#2.2 46.3,59.65 v1(46.3,56.4) 44.62,54.72 Q2#9.2
  Bottom w0.381: v1(46.3,56.4) v1(29.3,56.4) 25.9,59.8 25.7,59.8 ; 64.8,60.7 63.7,59.6 v1(61.1,59.6) 25.9,59.6 25.7,59.8 ; 64.8,60.7 65.9,61.8 v1(65.9,62) ; 64.8,60.7 69.7,55.8 J1#5.1 76.23,57.13 77.1,58 85.7,58 v1(88.6,55.1) ; 25.7,59.8 v1(16.9,68.6)